# Altium PCB EASY-EAI-Nano-TB V1.01.PCBDOC (part 3 of 7)
Units mm, origin at the board's own origin, x right, y up, seen from the top; angles counter-clockwise.
Board outline 120 x 90 mm, 4 copper layers (Top Layer, GND, VCC, Bottom Layer); 667 components, 452 nets, 2251 pads, 1430 vias.
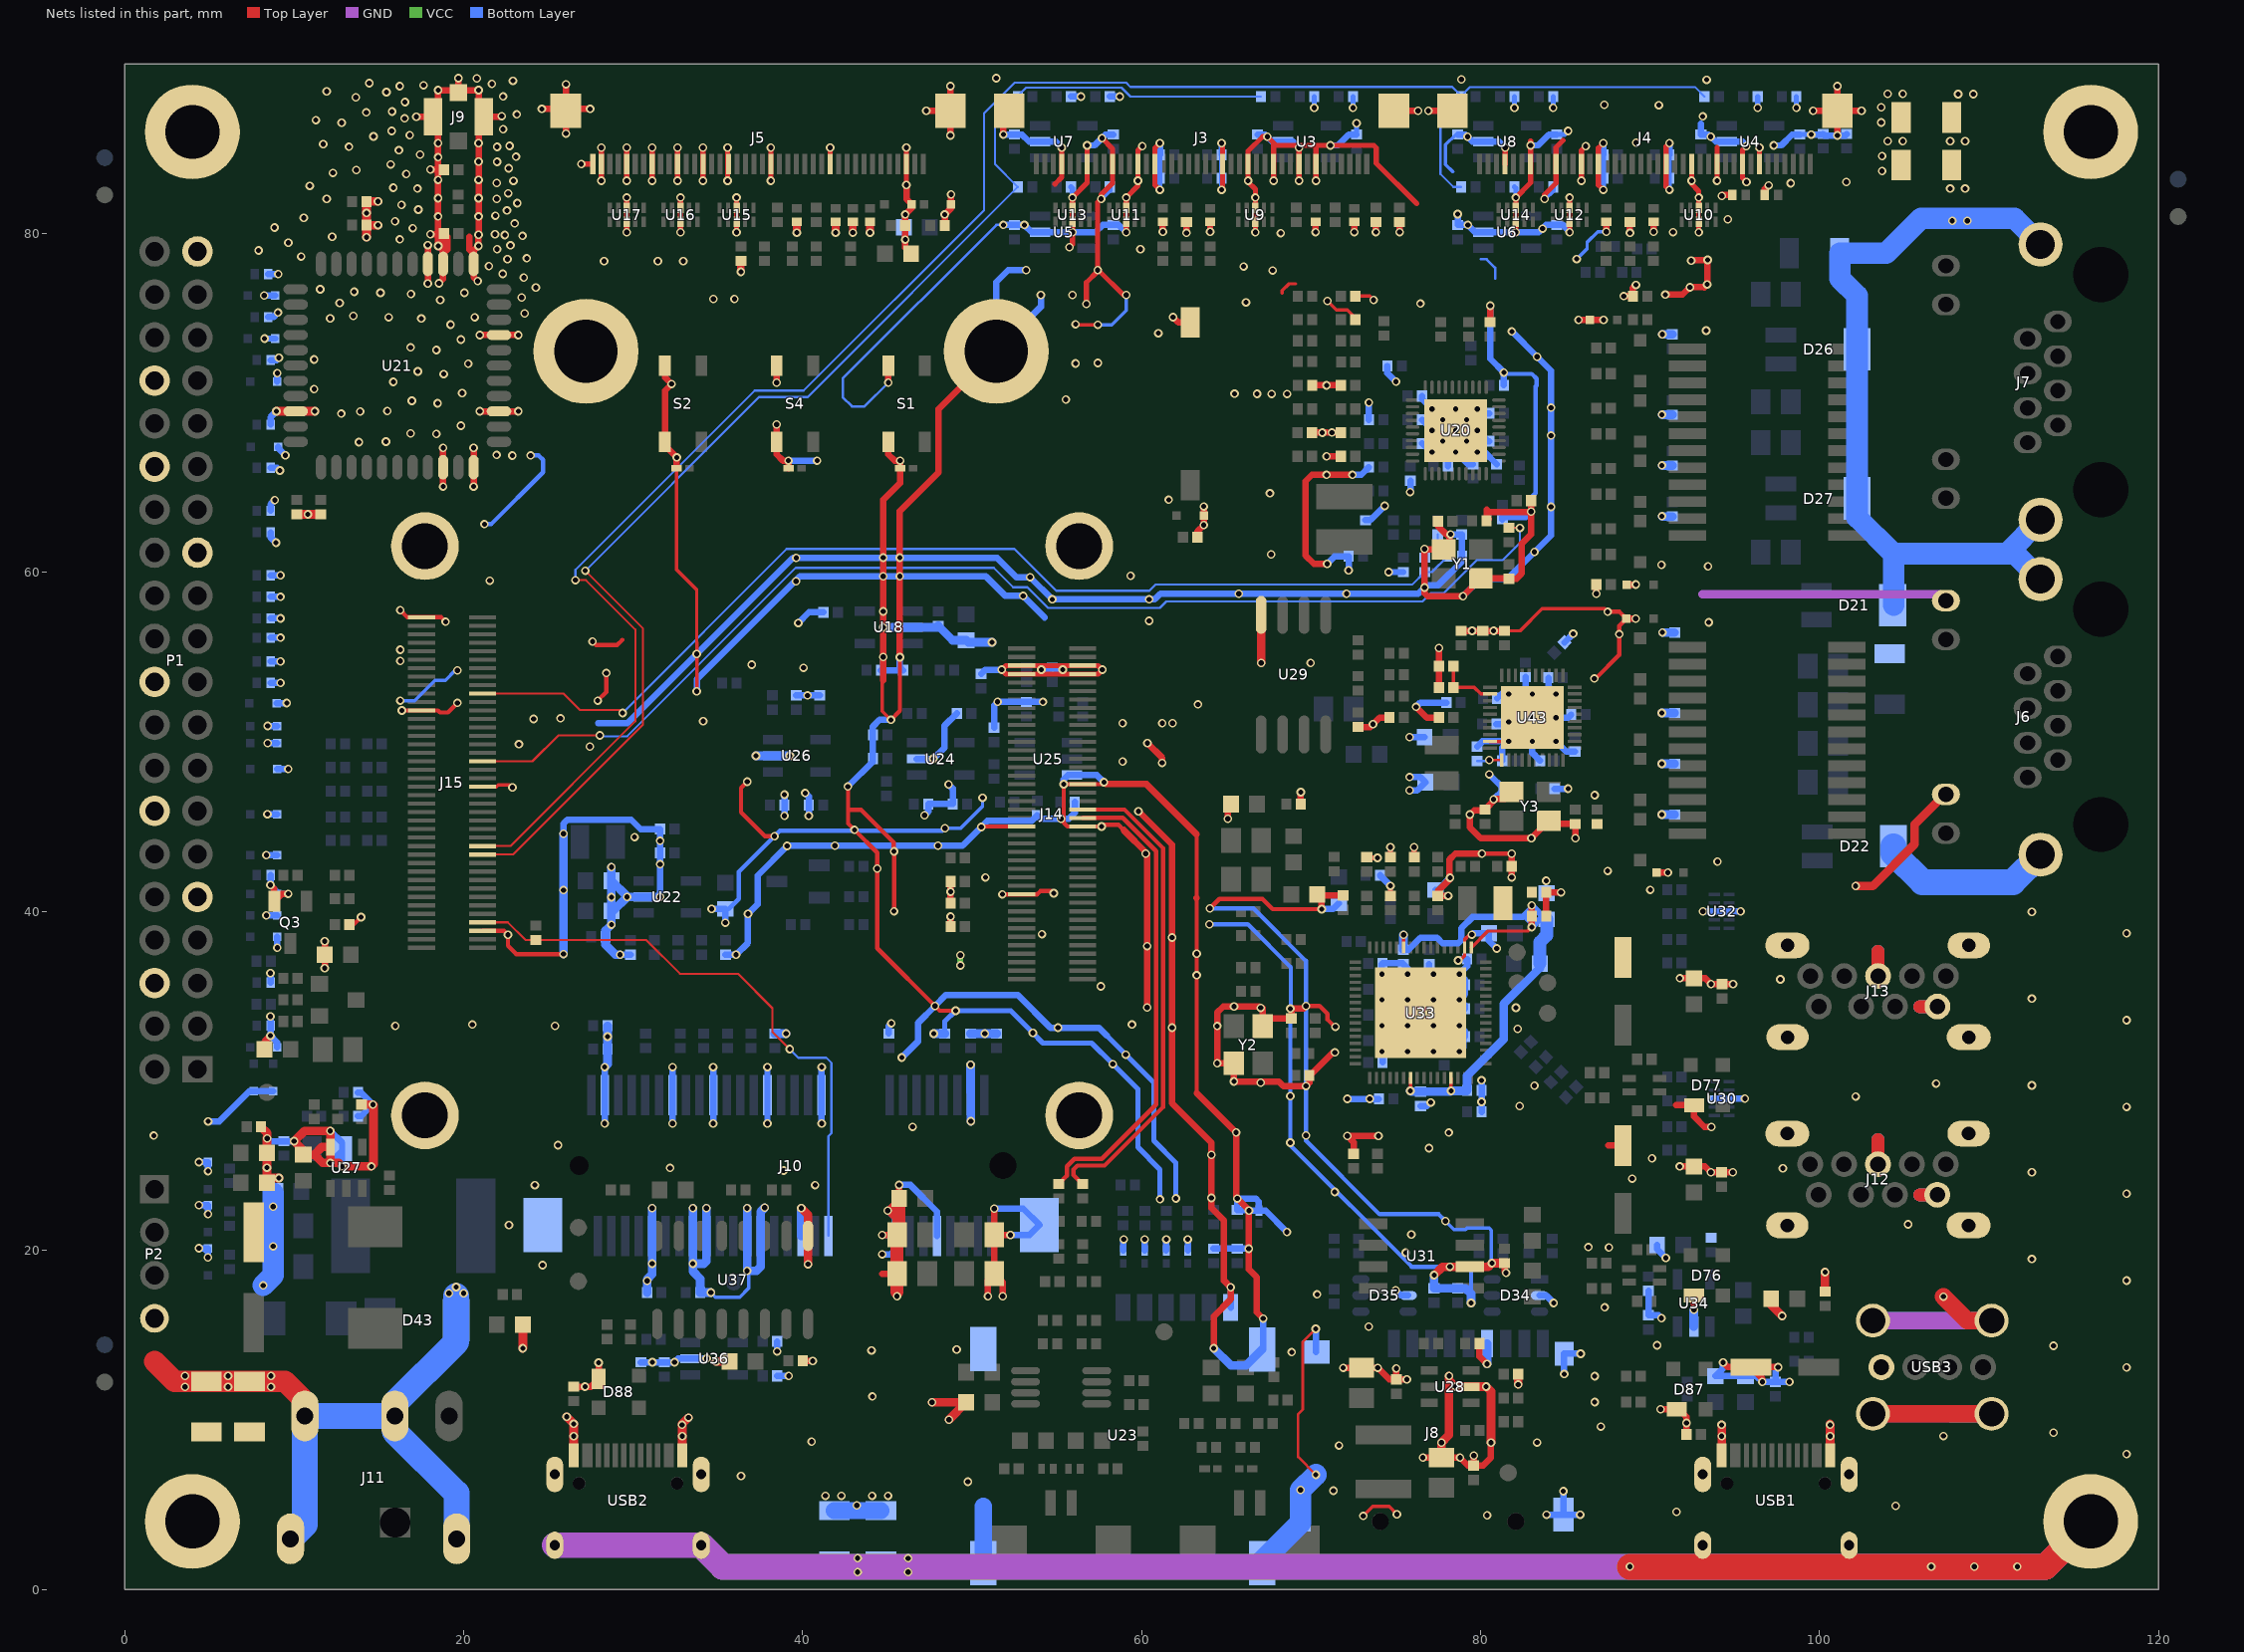
[diagram p5: the nets of this part, all layers, seen from the top]

## Via types
v1: diameter 0.508, hole 0.305, Top Layer to Bottom Layer, tented both sides, 1430 vias

## Nets (pads, with @x,y where several pads share a name; then routed paths per layer and width w, separated by ;. In a path a pad name is that pad's centre, name@x,y a point inside that pad or via, vN(x,y) a via of type N, cw(c..) or ccw(c..) an arc to the next point about the centre after c; other vN are vias at no path point) (continued)
CHIP_GND: C1.2 C15.1 C16.1 C17.1 C18.1 C19.1 C20.1 C21.1 C22.1 C23.1 C24.1 C25.1 C26.1 C27.1 C28.1 C29.1 C30.1 C31.1 C32.1 C33.1 C34.1 C35.1 C36.1 C37.1 C38.1 C39.1 C40.1 C41.1 C42.1 C43.1 C44.1 C45.1 C46.1 C47.1 C48.1 C49.1 C50.1 C51.1 C52.1 C53.1 C54.1 C55.1 C56.1 C57.1 C58.1 C59.1 C60.1 C61.1 C62.1 C65.1 C66.1 C67.1 C68.1 C69.1 C70.1 C71.1 C73.1 C74.1 C75.1 C76.2 C77.1 C78.1 C79.1 C80.1 C81.1 C82.1 C83.1 C84.1 C85.1 C86.1 C87.1 C88.1 C89.1 C90.1 C91.1 C93.1 C94.1 C95.1 C96.1 C97.1 C98.1 C99.1 C100.1 C101.1 C102.1 C103.1 C104.1 C105.1 C106.1 C107.1 C108.1 C109.1 C110.1 C112.1 C113.1 C114.1 C115.1 C116.1 C117.1 C118.1 C119.1 C120.1 C121.2 C122.1 C123.2 C124.1 C125.1 C126.1 C127.1 C128.1 C129.1 C130.1 C131.1 C132.1 C133.1 C134.1 C136.1 C138.1 C139.1 C141.2 C142.1 C143.1 C144.1 C145.1 C147.1 C148.1 C150.1 C151.1 C152.1 C153.2 C154.1 C155.2 C156.1 C159.2 C160.1 C161.1 C164.1 C165.1 C166.2 C167.2 C168.2 C169.2 C170.2 C171.2 C172.2 C173.1 C176.2 C177.1 C178.1 C179.2 C180.2 C181.2 C182.2 C183.2 C184.2 C185.2 C186.2 C187.2 C188.2 C189.2 C190.1 C191.2 C192.1 C193.1 C196.1 C197.1 C198.1 C199.1 C200.1 C201.1 C202.1 C203.1 C204.1 C205.1 C206.1 C207.1 C208.1 C209.1 C210.1 C211.1 C212.1 C213.1 C214.1 C215.1 C216.1 C217.1 C218.1 C219.1 C220.1 C221.1 C222.1 C223.1 C224.1 C225.1 C226.2 C227.1 C228.2 C229.2 C230.1 C231.1 C239.1 C240.1 C241.1 C242.2 C243.1 C244.1 C245.1 C246.1 C258.1 C259.1 C260.1 C261.1 D5.1 D6.1 D7.1 D8.1 D9.1 D10.1 D11.1 D12.1 D13.2 D14.2 D15.2 D16.2 D17.2 D18.2 D19.1 D20.1 D28.2 D33.2 D34.2 D35.2 D37.2 D38.2 D39.2 D40.2 D41.2 D43.2 D44.1 D45.1 D46.1 D47.1 D48.1 D49.1 D50.1 D51.1 D52.1 D53.1 D54.2 D55.1 D56.1 D57.1 D58.1 D59.1 D60.1 D61.2 D62.1 D63.2 D64.2 D65.1 D66.2 D67.1 D68.1 D69.1 D70.1 D71.1 D72.2 D73.1 D74.2 D75.2 D76.1 D77.1 D79.K D81.1 D82.1 D83.2 D84.2 D85.1 D86.2 D87.1 D88.1 D89.1 HOLE5.1 HOLE6.1 HOLE7.1 HOLE8.1 HOLE9.1 HOLE10.1 J3.7 J3.9 J3.12 J3.15 J3.18 J3.26 J3.28 J3.31 J3.34 J3.37 J3.41 J3.42 J4.7 J4.9 J4.12 J4.15 J4.18 J4.26 J4.28 J4.31 J4.34 J4.37 J4.41 J4.42 J5.3 J5.12 J5.19 J5.24 J5.27 J5.30 J5.33 J5.36 J5.39 J5.40 J5.41 J5.42 J6.10 J6.12 J8.6 J8.10 J8.11 J8.12 J8.13 J9.1 J9.2 J9.3 J10.4 J10.9 J10.15 J10.18 J10.21 J10.26 J10.27 J10.29 J10.34 J10.35 J10.37 J10.40 J10.43 J10.50 J10.53 J10.54 J11.2 J11.3 J11.4 J11.5 J12.4 J12.7 J13.4 J13.7 J14.22 J14.37 J14.38 J14.47 J14.73 J14.74 J14.75 J14.76 J15.5 J15.39 J15.58 J15.80 L2.1 L8.2 L9.2 P1.6 P1.9 P1.14 P1.20 P1.25 P1.30 P1.34 P1.39 P2.4 Q3.2 R1.2 R43.1 R48.1 R52.1 R59.1 R60.1 R64.1 R66.1 R68.1 R70.1 R71.1 R73.1 R74.1 R75.1 R78.1 R80.1 R125.1 R126.1 R132.1 R133.1 R138.1 R139.1 R140.1 R142.1 R148.1 R149.1 R151.1 R154.1 R155.1 R159.1 R175.1 R182.1 R186.2 R190.1 R193.1 R195.1 R197.2 R200.1 R202.2 R205.1 R212.1 R213.1 R214.1 S1.3 S1.4 S2.3 S2.4 S3.2 S4.3 S4.4 U3.2 U4.2 U5.2 U6.2 U7.2 U8.2 U9.3 U9.8 U10.3 U10.8 U11.3 U11.8 U12.3 U12.8 U13.3 U13.8 U14.3 U14.8 U15.3 U15.8 U16.3 U16.8 U17.3 U17.8 U18.2 U20.41 U21.1 U21.3 U21.4 U21.20 U21.31 U21.33 U21.36 U21.41 U22.2 U23.7 U23.8 U23.9 U23.10 U23.C5 U24.2 U25.3 U26.2 U27.3 U28.2 U29.4 U30.3 U30.8 U31.6 U32.3 U32.8 U33.18 U33.65 U34.2 U36.2 U37.1 U43.29 U43.41 USB1.A1 USB1.A12 USB1.B1 USB1.B12 USB2.A1 USB2.A12 USB2.B1 USB2.B12 USB3.4 USB3.5 Y1.2 Y1.4 Y2.2 Y2.4 Y3.2 Y3.4 | length 1509.7
  Top Layer w0.152: v1(70.282,15.367) 69.517,14.602 69.517,10.614 69.24,10.338 69.24,7.805 v1(70.287,6.759)
  Top Layer w0.203: J15.39@21.124,47.359 21.941,47.359 22.05,47.469 22.736,47.469 v1(22.885,47.32) ; D84.2@32.58,66.149 32.58,60.161 33.757,58.984 33.757,55.86 33.761,55.856 v1(33.761,55.199) v1(33.761,52.986) ; 44.761,53.651 44.706,53.596 44.706,51.814 v1(45.212,51.308) ; v1(56.109,74.651) 56.132,74.674 56.181,74.625 v1(57.429,74.625) ; 68.301,76.479 68.301,76.632 68.707,77.038 69.088,77.038 ; v1(70.968,76.022) 71.497,75.493 72.138,75.493 72.615,75.016 R80.1@72.615,74.918 ; R71.1@72.615,76.309 73.467,76.309 v1(73.695,76.08) ; v1(73.086,4.325) 73.645,4.884 74.61,4.884 v1(75.067,4.427) ; v1(78.683,37.111) 78.788,37.111 79.064,37.387 U33.18@79.064,37.868 79.064,38.345 79.348,38.629 v1(79.492,38.629) ; U43.29@80.559,50.035 81.658,50.035 v1(81.661,50.038) ; C222.1@81.407,56.559 82.34,56.559 83.642,57.861 87.325,57.861 v1(87.503,57.683)
  Top Layer w0.254: R151.1@13.262,39.225 13.507,39.225 v1(13.951,39.669) ; v1(16.268,57.778) 16.687,57.359 J15.80@17.524,57.359 18.68,57.359 v1(18.943,57.096) ; v1(16.364,51.859) 18.491,51.859 18.61,51.74 19.079,51.74 v1(19.644,52.305) ; J15.5@21.124,38.859 22.382,38.859 v1(22.621,38.621) 22.621,37.975 23.111,37.485 v1(25.893,37.485) ; v1(27.61,55.928) 27.821,55.717 29.057,55.717 29.373,56.033 ; v1(27.917,52.44) 28.427,52.949 v1(28.427,54.071) ; v1(36.738,47.658) 36.373,47.292 36.373,45.847 37.779,44.441 v1(38.347,44.441) ; v1(42.672,47.371) 42.687,47.356 42.687,45.999 ; v1(45.212,51.308) 45.744,51.84 v1(45.744,55.005) ; v1(45.4,40.012) v1(45.4,43.543) 45.374,43.543 45.374,44.075 43.45,45.999 42.687,45.999 ; v1(49.032,34.145) 48.092,34.145 44.409,37.828 v1(44.409,42.527) 44.409,43.467 v1(43.063,44.813) 42.687,45.189 42.687,45.999 ; v1(50.546,44.983) 50.573,45.01 J14.38@52.925,45.01 ; v1(51.792,41.01) 53.84,41.01 54.028,41.199 54.695,41.199 v1(54.822,41.072) ; v1(57.643,45.016) 57.737,45.11 58.641,45.11 58.938,44.813 ; v1@57.738,45.01 55.628,45.01 55.408,45.231 v1(55.408,47.51) 57.67,47.51 v1(57.785,47.625) ; 63.256,29.286 v1(63.256,36.235) 63.256,40.782 ; 63.256,40.802 63.256,40.806 63.256,44.549 ; v1(64.033,40.183) 64.592,40.742 67.132,40.742 67.737,40.137 v1(70.63,40.137) ; v1(69.703,34.417) 70.506,34.418 70.976,33.948 70.976,33.614 71.416,33.174 v1(71.438,33.196) ; v1(80.086,43.409) v1(81.839,43.409) ; v1(86.716,53.746) 86.793,53.746 88.189,55.143 v1(88.189,56.363) 88.189,56.858 D20.1@88.608,57.277 88.202,57.683 v1(87.503,57.683)
  Top Layer w0.305: v1(26.945,84.101) J5.40@27.629,84.101 ; v1(28.129,83.122) J5.39@28.129,84.101 v1(28.129,85.08) ; v1(29.629,83.122) J5.36@29.629,84.101 v1(29.629,85.08) ; v1(29.632,80.078) U17.8@29.632,80.688 U17.3@29.632,81.518 v1(29.632,82.128) ; v1(31.129,83.122) J5.33@31.129,84.101 v1(31.129,85.08) ; v1(32.629,83.122) J5.30@32.629,84.101 v1(32.629,85.08) ; v1(32.807,80.078) U16.8@32.807,80.688 U16.3@32.807,81.518 v1(32.807,82.128) ; v1(34.129,83.122) J5.27@34.129,84.101 v1(34.129,85.08) ; v1(35.578,83.122) v1(35.578,85.08) ; v1(36.109,80.078) U15.8@36.109,80.688 U15.3@36.109,81.518 v1(36.109,82.128) ; v1(38.129,83.122) J5.19@38.129,84.101 v1(38.129,85.08) ; J5.12@41.629,84.101 v1(41.629,85.08) ; v1(46.129,82.868) J5.3@46.129,84.101 v1(46.129,85.08) ; 54.901,82.935 55.291,83.325 J3.37@55.291,84.101 v1(55.291,85.08) ; v1(55.753,79.197) 55.921,79.365 v1(55.921,80.078) U13.8@55.921,80.688 U13.3@55.921,81.518 v1(55.921,82.128) 56.791,82.998 J3.34@56.791,84.101 v1(56.791,85.207) ; v1(56.747,75.854) 56.747,77.11 57.414,77.777 v1(57.414,77.846) ; v1(57.669,85.63) 58.291,85.008 J3.31@58.291,84.101 58.291,82.965 57.62,82.294 v1(57.62,82.046) 57.414,81.84 v1(57.414,77.846) ; v1(59.096,76.373) 58.93,76.373 57.457,77.846 v1(57.414,77.846) ; v1(59.096,80.078) U11.8@59.096,80.688 U11.3@59.096,81.518 v1(59.096,82.128) 59.791,82.823 v1(59.791,83.122) J3.28@59.791,84.101 59.791,84.908 v1(60.047,85.163) ; v1(61.084,82.583) 60.791,82.876 J3.26@60.791,84.101 60.791,85.045 v1(61.084,85.338) ; v1(64.728,82.583) 64.791,82.646 J3.18@64.791,84.101 64.791,85.275 v1(64.728,85.338) ; v1(66.716,80.078) U9.8@66.716,80.688 U9.3@66.716,81.518 v1(66.716,82.128) 66.716,82.627 66.291,83.052 v1(66.291,83.122) J3.15@66.291,84.101 66.291,84.864 67.147,85.719 v1(67.423,85.719) 67.791,85.352 ; v1(67.791,83.122) J3.12@67.791,84.101 67.791,85.352 ; v1(69.291,83.122) J3.9@69.291,84.101 v1(69.291,85.08) ; v1(70.291,83.122) J3.7@70.291,84.101 70.291,85.08 ; R193.1@73.333,43.162 v1(73.924,43.162) ; C201.1@74.686,40.92 v1(74.686,41.511) ; R200.1@74.686,43.206 v1(74.686,43.797) ; R195.1@76.083,43.206 v1(76.083,43.797) ; 76.235,81.76 73.848,84.148 73.848,85.056 73.697,85.207 v1(71.142,85.207) 67.936,85.207 67.791,85.352 ; J4.37@81.453,84.101 v1(81.453,85.08) ; v1(82.083,80.078) U14.8@82.083,80.688 U14.3@82.083,81.518 v1(82.083,82.128) 82.953,82.998 J4.34@82.953,84.101 v1(82.953,85.207) 82.953,85.461 ; v1(83.782,82.046) 83.782,82.294 84.453,82.965 J4.31@84.453,84.101 84.453,85.083 84.867,85.497 ; v1(85.258,80.078) U12.8@85.258,80.688 U12.3@85.258,81.518 v1(85.258,82.128) ; v1(85.953,83.122) J4.28@85.953,84.101 85.953,84.908 v1(86.209,85.163) ; v1(87.246,82.583) 86.953,82.876 J4.26@86.953,84.101 86.953,85.045 v1(87.246,85.338) ; v1(91.144,82.583) 90.953,82.774 J4.18@90.953,84.101 90.953,85.147 v1(91.144,85.338) ; J4.15@92.453,84.101 v1(92.453,83.122) 92.453,82.934 92.878,82.509 v1(92.878,82.128) U10.3@92.878,81.518 U10.8@92.878,80.688 v1(92.878,80.078) ; v1(93.953,83.122) J4.12@93.953,84.101 93.953,85.08 ; v1(95.682,85.166) 95.453,84.937 J4.9@95.453,84.101 95.453,83.288 v1(95.695,83.046) ; J4.7@96.453,84.101 v1(96.453,85.08) ; v1(51.757,54.264) 52.003,54.51 57.446,54.51 v1(57.692,54.264) 57.438,54.01 J14.74@52.925,54.01 52.011,54.01 v1(51.757,54.264)
  Top Layer w0.381: C134.1@8.257,31.859 8.257,32.314 v1(8.61,32.667) ; v1(8.61,41.557) 8.839,41.328 Q3.2@8.839,40.602 9.278,41.041 v1(9.657,41.041) ; v1(11.813,36.658) C136.1@11.813,37.447 v1(11.813,38.236) ; v1(17.218,86.901) J9.3@18.195,86.901 ; v1(17.895,77.049) U21.4@17.895,78.214 v1(17.895,79.323) ; v1(18.044,79.967) 18.501,79.967 ; v1(18.044,83.777) 18.501,83.777 ; v1(18.552,77.071) 18.795,77.314 U21.3@18.795,78.214 U21.3@18.795,78.82 ; v1(18.795,65.075) U21.31@18.795,66.214 v1(18.795,67.353) ; L9.2@18.845,83.777 18.501,83.777 ; v1@19.695,89.16 J9.1@19.695,88.326 ; 20.35,79.81 20.35,79.065 U21.1@20.595,78.82 ; v1(20.595,65.075) U21.33@20.595,66.214 v1(20.595,67.353) ; v1(20.838,77.198) 20.595,77.441 U21.1@20.595,78.214 U21.1@20.595,78.82 ; v1(20.956,69.514) U21.36@22.095,69.514 v1(23.234,69.514) ; v1(20.956,74.014) U21.41@22.095,74.014 v1(23.234,74.014) ; v1@22.172,86.901 J9.2@21.195,86.901 ; v1(24.618,87.358) J5.42@26.045,87.358 ; v1(26.045,85.903) J5.42@26.045,87.358 ; v1(26.045,88.813) J5.42@26.045,87.358 ; R205.1@26.497,11.957 v1(27.169,11.957) 27.521,11.957 D88.1@27.972,12.408 v1(27.972,13.367) ; v1(27.472,87.358) J5.42@26.045,87.358 ; S2.3@31.886,72.209 31.886,71.514 v1(32.274,71.126) 31.886,70.738 S2.4@31.886,67.709 31.886,67.487 v1(32.58,66.793) ; D84.2@32.58,66.149 v1@32.58,66.691 ; v1(38.474,68.737) S4.4@38.474,67.709 38.474,66.97 38.841,66.602 v1(39.168,66.602) D86.2@39.168,66.149 ; v1(38.474,71.207) S4.3@38.474,72.209 ; C215.1@40.018,13.475 v1(40.605,13.475) ; 44.696,18.624 C106.1@45.576,18.624 ; v1(44.696,20.91) C105.1@45.576,20.91 45.576,21.792 v1(45.027,22.342) C113.1@45.696,23.012 ; 44.761,53.651 v1(44.761,55.012) v1(44.761,56.769) v1(44.761,57.706) v1(44.761,59.774) v1(44.761,60.876) 44.761,64.291 45.755,65.285 D83.2@45.755,66.149 v1(45.755,66.602) 45.429,66.602 45.061,66.97 S1.4@45.061,67.709 ; v1(45.061,71.207) S1.3@45.061,72.209 ; C113.1@45.696,23.069 v1(45.696,23.857) ; v1(45.744,55.005) 45.744,63.632 48.016,65.903 48.016,69.639 HOLE6.1@51.429,73.053 ; v1(46.129,82.868) 46.129,82.043 D14.2@46.434,81.738 46.434,81.503 v1(46.059,81.128) C55.1@46.059,80.468 v1(46.059,79.646) 46.059,79.162 C56.1@46.404,78.817 ; v1(47.302,87.249) J5.41@48.729,87.249 ; C53.1@48.39,80.468 v1(48.39,81.128) 48.765,81.503 D13.2@48.765,81.738 v1(48.765,82.316) ; v1(48.729,85.794) J5.41@48.729,87.249 ; v1(48.729,88.704) J5.41@48.729,87.249 ; R214.1@48.734,39.098 v1(48.734,39.698) ; R212.1@48.734,40.495 v1(48.734,41.165) C210.1@48.734,41.765 ; v1(50.937,17.294) 50.937,18.243 C104.1@51.318,18.624 ; v1(51.318,22.461) C107.1@51.318,20.91 ; v1(51.816,17.294) 51.816,18.126 C104.1@51.318,18.624 ; v1(51.85,85.846) 51.85,86.908 J3.42@52.191,87.249 ; v1(52.269,20.91) C107.1@51.318,20.91 ; v1(57.785,47.625) 57.896,47.514 60.29,47.514 63.256,44.549 ; 58.938,44.813 60.335,43.416 v1(60.335,37.955) v1(60.335,34.336) ; v1(59.816,45.909) 59.834,45.909 61.798,43.945 v1(61.798,38.463) 61.798,33.198 v1@61.798,33.144 ; v1(60.35,49.936) 61.224,49.063 61.224,48.778 v1(61.214,48.768) ; v1(61.255,80.113) D8.1@61.255,80.703 ; v1(61.804,33.144) v1@61.798,33.144 ; v1(61.863,75.067) 62.171,74.759 S3.2@62.875,74.759 ; v1(62.652,80.042) C39.1@62.652,80.678 ; 63.256,29.286 v1(65.582,26.96) v1@65.582,23.104 ; 63.256,40.782 63.246,40.792 63.256,40.802 ; C205.1@63.3,62.085 63.3,62.434 v1(63.675,62.809) D85.1@63.675,63.355 v1(63.675,63.901) ; v1(64.049,80.113) D6.1@64.049,80.703 ; v1(64.262,14.224) 64.262,16.106 65.259,17.102 v1(65.259,17.825) 64.868,18.215 64.868,21.757 64.124,22.5 v1(64.124,23.091) v1(64.124,25.64) 64.124,26.356 61.798,28.682 v1@61.798,33.144 ; v1(65.09,45.466) 65.09,46.147 C152.1@65.28,46.337 ; v1(65.651,23.061) 66.345,22.367 v1(66.345,22.342) ; v1@66.326,22.36 v1(66.326,20.1) 66.326,18.892 66.802,18.417 66.802,16.358 v1(67.183,15.977) ; Y2.4@67.597,33.681 Y2.4@67.154,33.238 67.154,34.309 v1(67.027,34.309) 66.945,34.392 v1(65.456,34.392) 64.824,34.392 64.468,34.036 v1(64.468,33.238) v1(64.468,31.038) Y2.2@65.454,31.038 v1(65.454,29.968) 66.959,29.968 v1(67.031,29.896) 67.103,29.968 68.096,29.968 68.371,29.693 69.7,29.693 v1(69.708,29.7) 69.904,29.896 C200.1@69.904,30.335 69.962,30.335 71.308,31.681 v1(71.409,31.681) ; Y2.4@67.724,33.681 C199.1@68.844,33.681 68.844,34.204 v1(68.783,34.265) 69.545,34.265 69.698,34.417 v1(69.703,34.417) ; v1(69.393,47.041) 69.396,47.038 C153.2@69.396,46.337 ; C89.1@70.054,68.263 70.911,68.263 70.92,68.254 R74.1@71.765,68.254 ; R75.1@70.075,71.048 v1(70.92,71.048) R78.1@71.765,71.048 ; v1(70.272,80.087) D12.1@70.272,80.703 ; C166.2@70.376,41.003 C166.2@70.441,40.938 ; v1(70.63,40.137) 70.63,40.749 C166.2@70.441,40.938 ; v1(70.92,66.857) R73.1@71.765,66.857 ; v1@70.941,60.507 70.171,60.507 69.68,60.998 69.68,65.388 70.056,65.765 v1(70.92,65.765) v1(72.444,65.765) ; R202.2@71.882,40.938 C166.2@70.441,40.938 ; v1(71.899,13.07) C147.1@72.993,13.07 v1(73.935,13.07) 74.621,12.384 C148.1@75.03,12.384 ; v1(72.146,26.754) v1@72.149,26.75 ; R175.1@72.517,25.698 72.517,26.383 v1@72.149,26.75 ; v1(72.558,80.087) D10.1@72.558,80.703 ; C226.2@72.771,50.883 73.489,50.883 v1(73.66,51.054) 74.041,51.435 R159.1@74.632,51.435 ; v1(73.828,80.087) C41.1@73.828,80.678 ; v1(73.98,26.75) v1@72.149,26.75 ; J3.41@74.891,87.249 v1(76.318,87.249) ; v1(75.03,13.026) C148.1@75.03,12.384 ; v1(75.225,80.087) C42.1@75.225,80.678 ; v1(75.658,12.384) C148.1@75.03,12.384 ; v1(76.2,52.07) 76.835,51.435 C197.1@77.553,51.435 ; v1(76.603,7.769) C150.1@77.697,7.769 v1(78.791,7.769) 79.256,7.304 C151.1@79.602,7.304 ; v1(76.926,87.249) J4.42@78.353,87.249 ; C66.1@77.496,63.031 77.496,62.737 77.977,62.255 v1(78.232,62.255) 78.166,62.189 78.166,61.702 Y1.4@77.821,61.357 76.735,61.357 v1(76.696,61.396) v1(76.696,59.117) 76.696,58.785 76.879,58.602 v1(78.966,58.602) Y1.2@80.021,59.657 81.642,59.657 C67.1@81.671,59.628 82.121,59.628 82.433,59.94 82.433,61.704 82.985,62.256 v1(82.985,63.602) ; C156.1@77.553,53.213 C193.1@77.553,54.483 v1(77.553,55.543) ; v1(78.097,40.92) C191.2@77.48,40.92 77.48,41.199 78.207,41.926 v1(78.207,41.986) 78.177,42.015 78.177,43.072 78.514,43.409 v1(80.086,43.409) ; C241.1@78.867,56.559 v1(79.502,56.559) C196.1@80.137,56.559 v1(80.772,56.559) C222.1@81.407,56.559 ; v1(79.602,7.895) C151.1@79.602,7.304 ; R155.1@79.937,14.5 79.937,13.749 v1(80.387,13.3) ; R48.1@80.362,63.047 80.475,63.16 80.358,63.277 80.358,63.71 80.511,63.557 82.94,63.557 v1(82.985,63.602) ; C80.1@80.572,74.775 v1(80.572,75.747) ; v1(80.618,8.657) 80.618,7.768 80.153,7.304 C151.1@79.602,7.304 ; C164.1@81.417,19.242 81.417,18.725 81.491,18.651 v1(81.509,18.669) ; Y3.4@81.831,47.053 81.431,46.653 80.899,46.653 C243.1@80.264,46.018 80.22,45.974 79.629,45.974 v1(79.375,45.72) 79.375,44.958 80.01,44.323 v1(83.001,44.323) Y3.2@84.031,45.353 84.216,45.168 C242.2@85.598,45.168 v1(85.598,44.323) ; v1(81.839,43.409) 81.842,43.405 C173.1@81.842,42.654 v1(81.842,42.011) ; R64.1@82.985,64.244 v1(82.985,63.602) ; C202.1@83.874,39.733 C165.1@83.874,41.13 v1(84.754,41.13) ; v1@85.913,74.912 D33.2@86.459,74.912 v1@87.005,74.912 ; v1(86.834,58.745) R52.1@86.834,59.291 ; v1(87.417,80.113) D7.1@87.417,80.703 ; 87.547,26.183 C159.2@88.393,26.183 ; v1(88.447,76.309) R59.1@88.993,76.309 88.993,76.799 v1(89.167,76.974) ; D20.1@88.608,57.277 v1(89.154,57.277) ; D28.2@88.618,59.291 v1(89.164,59.291) ; v1(88.814,80.042) C40.1@88.814,80.678 ; v1(90.211,80.113) D5.1@90.211,80.703 ; D19.1@90.386,42.291 v1(91.059,42.291) ; v1(90.621,10.62) D87.1@91.58,10.62 ; v1(90.9,76.401) 91.921,76.401 v1(92.354,76.835) 93.187,76.835 93.197,76.825 v1(93.375,77.003) v1@93.375,78.426 ; 91.544,28.563 D77.1@92.606,28.563 92.606,27.892 93.218,27.28 v1(93.624,27.28) ; D87.1@91.707,10.62 92.158,10.168 v1(92.158,9.817) R213.1@92.158,9.144 ; v1(91.752,24.953) C160.1@92.584,24.953 93.247,24.953 v1(93.592,24.608) C161.1@94.235,24.608 v1(94.887,24.608) ; v1(91.761,36.06) C177.1@92.593,36.06 93.255,36.06 v1(93.6,35.715) C178.1@94.244,35.715 v1(94.896,35.715) ; v1(92.431,78.41) 92.442,78.422 93.37,78.422 v1@93.375,78.426 ; v1(92.597,16.501) D76.1@92.597,17.329 ; v1(93.4,78.451) v1@93.375,78.426 ; v1(94.234,82.22) 94.292,82.278 D11.1@94.86,82.278 ; v1(94.31,13.386) 94.59,13.106 C229.2@95.949,13.106 ; v1(96.628,12.236) 96.628,12.427 C229.2@95.949,13.106 ; D9.1@96.765,82.278 96.765,82.627 96.995,82.857 v1(97.004,82.849) ; v1(97.561,13.106) C229.2@95.949,13.106 ; v1(99.626,87.249) J4.41@101.053,87.249 ; v1(101.053,85.794) J4.41@101.053,87.249 ; v1(101.053,88.704) J4.41@101.053,87.249 ; v1(102.48,87.249) J4.41@101.053,87.249 ; J9.3@18.195,86.901 18.501,87.207 v1(18.501,88.464) 19.557,88.464 J9.1@19.695,88.326 ; J9.3@18.195,86.901 18.501,86.594 v1(18.501,85.337) v1(18.501,84.509) 18.501,83.777 ; 18.501,79.967 L8.2@18.845,79.967 ; 18.501,79.967 v1(18.501,81.01) v1(18.501,82.092) v1(18.501,83.174) 18.501,83.777 ; 18.501,79.967 18.501,79.282 v1(18.508,79.275) 18.795,78.988 ; U21.3@18.795,78.82 18.795,78.988 ; U21.3@18.795,78.82 19.04,79.065 19.04,79.81 L8.2@18.845,80.005 L8.2@18.845,79.967 ; 18.795,78.988 18.845,79.038 L8.2@18.845,79.967 ; J9.1@19.695,88.326 19.833,88.464 v1(20.889,88.464) 20.889,87.207 J9.2@21.195,86.901 ; U21.1@20.595,78.82 20.595,78.988 v1(20.882,79.275) 20.882,79.928 v1(20.889,79.928) v1(20.889,81.01) v1(20.889,82.092) v1(20.889,83.174) v1(20.889,84.255) v1(20.889,85.337) 20.889,86.594 J9.2@21.195,86.901 ; C104.1@51.318,18.624 C107.1@51.318,20.91
  Top Layer w0.457: v1(36.363,77.745) C57.1@36.363,78.392 ; v1(39.665,80.056) D18.2@39.665,80.703 ; v1(41.951,80.056) D17.2@41.951,80.703 ; v1(42.967,80.056) D16.2@42.967,80.703 ; v1(43.983,80.056) D15.2@43.983,80.703
  Top Layer w0.508: C144.1@8.055,27.287 8.417,26.925 v1@8.417,26.619 ; v1(8.417,26.601) v1@8.417,26.619 ; v1(8.963,69.514) U21.20@10.095,69.514 v1(11.227,69.514) ; v1(9.106,24.267) 8.682,24.267 C142.1@8.4,23.985 v1(8.4,24.88) C143.1@8.4,25.763 8.4,26.636 v1@8.417,26.619 ; C96.1@10.17,63.436 v1(10.816,63.436) C95.1@11.567,63.436 ; R149.1@13.98,28.601 v1(14.654,28.601) 14.686,28.569 14.686,25.072 v1(14.564,24.951) v1(12.838,24.951) 12.631,25.158 v1(12.141,25.158) ; v1(14.278,79.782) C94.1@14.278,80.5 ; v1(14.955,80.5) C94.1@14.278,80.5 ; v1(14.955,81.897) C93.1@14.278,81.897 v1(14.278,81.22) C94.1@14.278,80.5 ; v1(23.495,14.224) 23.503,14.232 D79.K@23.503,15.621 ; v1(26.086,10.185) 26.086,10.181 v1(26.503,9.763) v1(26.503,9.037) USB2.A1@26.503,8.306 ; USB2.A12@32.904,8.306 32.904,9.692 v1(32.893,9.703) 32.893,9.752 v1(33.272,10.131) ; v1(34.9,13.437) 34.907,13.444 C216.1@35.689,13.444 ; v1(39.929,22.49) 40.324,22.095 U37.1@40.324,20.857 v1(40.324,19.18) ; v1(47.643,11.031) L2.1@49.659,11.031 v1(48.636,10.008) ; v1(67.056,54.661) U29.4@67.056,57.505 ; v1(77.267,18.542) 77.757,19.032 v1(78.191,19.032) U31.6@79.37,19.032 80.464,19.032 v1(80.674,19.242) C164.1@81.417,19.242 ; C150.1@77.697,7.769 v1(77.697,8.657) 78.145,9.106 v1@78.145,12.348 ; v1(78.145,12.588) v1@78.145,12.348 ; v1(80.618,8.657) 80.618,11.676 v1(80.336,11.959) U28.2@79.435,11.959 v1(78.535,11.959) v1@78.145,12.348 ; v1(82.221,12.085) R154.1@82.221,12.682 ; v1(94.22,9.703) 94.232,9.691 v1(94.232,9.037) USB1.A1@94.232,8.28 ; C230.1@97.147,17.145 97.147,16.772 v1(97.79,16.129) ; C231.1@100.33,17.57 v1(100.33,18.72) ; v1@100.621,9.752 v1(100.621,9.703) 100.632,9.692 USB1.A12@100.632,8.306 ; v1(102.133,41.504) 103.149,41.504 105.613,43.967 105.613,45.136 107.388,46.911 J6.10@107.46,46.911 ; 11.19,25.644 11.206,25.644 11.692,25.158 v1(12.141,25.158) ; 11.19,25.644 C139.1@10.551,25.644 10.551,25.895 v1(10.004,26.442) 10.612,27.05 v1(12.141,27.05) U27.3@12.141,26.104 ; 11.19,25.644 11.65,26.104 U27.3@12.141,26.104 ; v1(12.141,25.158) U27.3@12.141,26.104